# KiCad board RASBB.kicad_pcb (continued)
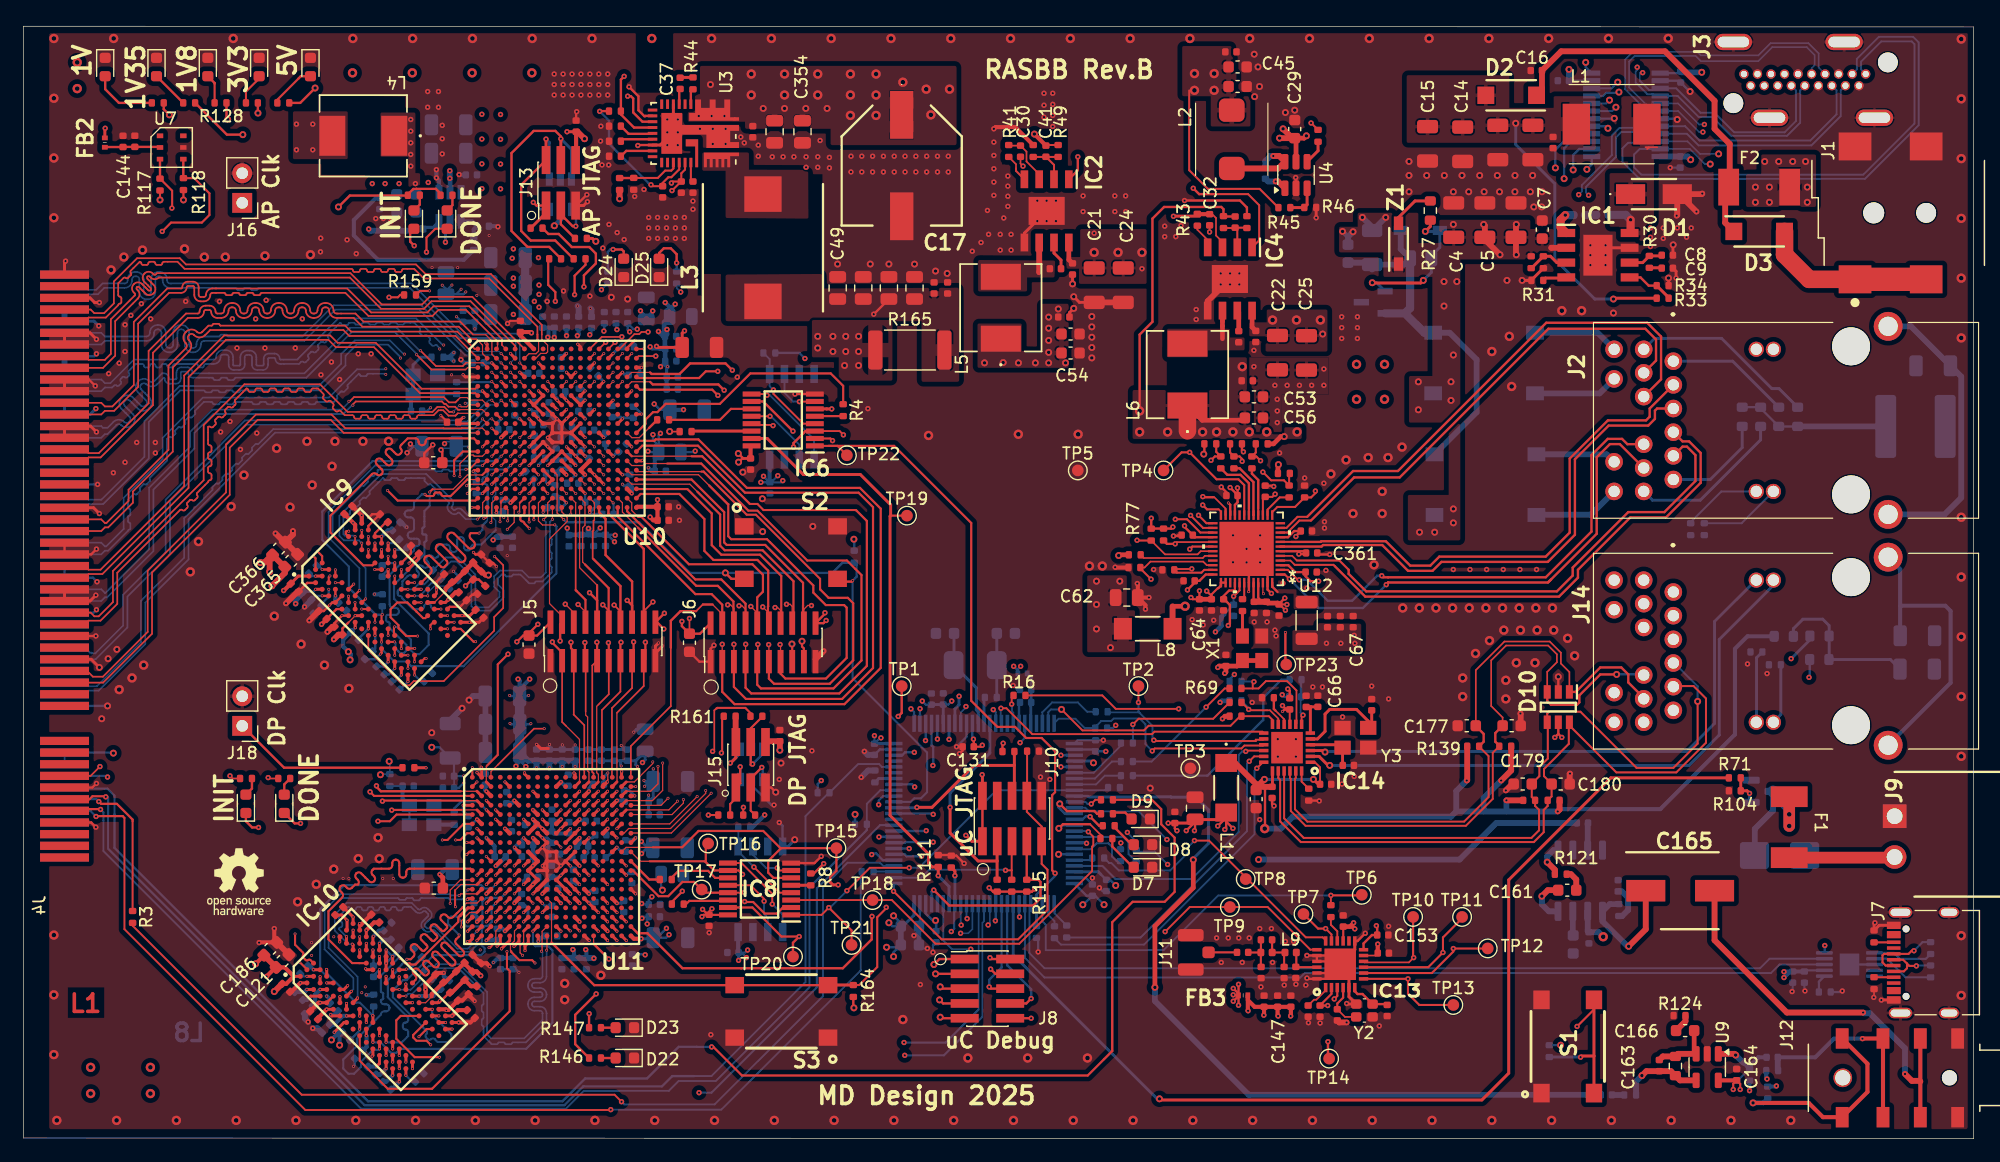
[diagram p0: board, top side]
## Routing (per net, layer and track width the routed paths; a pad name or vN(x,y) marks a point on that pad's centre or on a via; arc(x,y) is an arc through that point) (continued)
  Bottom w0.141: v4(134.22,80.92) 134,81.14 134,81.18
  Bottom w0.16: J3.4 155.84,89.92 155.84,87.72 153.32,85.2 143.64,85.2 142.65,86.19 IC11.21 139.25,86.19 139.11,86.34 137.02,86.34 136.57,85.89 136.57,84.22 134,81.65 134,81.18
/HDMI/HDMI_D2_N: length 163.3
  Top w0.141: v2(53.19,67.74) 53.19,67.74 U10.A18
  In3.Cu w0.141: v1(145.37,84.47) 145.37,78.47 141.67,74.77 140.92,74.77 139.69,73.55 131.55,73.55 130.55,74.55 126.93,74.55 126.46,75.02 100.51,75.02 95.22,69.72 95.22,66.2 92.32,63.3 67.79,63.3 64.39,66.7 53.89,66.7 53.4,67.19 53.4,67.54 v2(53.19,67.74)
  Bottom w0.141: IC11.22 142.69,85.54 143.77,84.47 v1(145.37,84.47)
  Bottom w0.16: IC11.22 139.25,85.54 139.11,85.4 138.4,85.4 138.38,85.42 137.61,85.42 137.12,84.93 137.12,83.8 138.59,82.33 157.92,82.33 162.52,86.93 162.52,94.03 162.04,94.51 159.11,94.51 157.22,92.62 157.22,91.72 J3.3
/HDMI/HDMI_D2_P: length 156.3
  Top w0.141: U10.B18 52.76,67.13 v4(54.23,67.13)
  In3.Cu w0.141: v1(144.65,83.59) 145.03,83.21 145.03,78.88 141.27,75.12 140.77,75.12 139.55,73.89 131.69,73.89 130.57,75.01 126.85,75.01 126.54,75.32 100.33,75.32 94.87,69.87 94.87,66.34 92.17,63.64 67.85,63.64 64.45,67.04 54.31,67.04 v4(54.23,67.13)
  Bottom w0.141: v1(144.65,83.59) 144.19,83.59 142.9,84.89 IC11.23
  Bottom w0.16: J3.1 157.58,91.72 157.58,92.38 159.32,94.12 161.93,94.12 162.16,93.89 162.16,87.07 157.78,82.69 138.73,82.69 138.12,83.3 138.12,84.42 138.59,84.89 IC11.23
/HDMI/HDMI_HPD_B: length 13.6
  In2.Cu w0.17: v1(136.72,90.62) 146.84,90.62 J3.19
  Bottom w0.17: v1(136.72,90.62) 136.19,90.09 IC11.10
/HDMI/HDMI_SCL_B: length 19.6
  In2.Cu w0.17: v1(136.01,89.08) 136.01,92.16 136.37,92.52 149.27,92.52 149.86,91.93 J3.15
  Bottom w0.17: v1(136.01,89.08) 135.72,88.79 IC11.8
/HDMI/HDMI_SDA_B: length 17.4
  In2.Cu w0.17: J3.16 149.28,89.43 147.53,87.69 145.52,87.69 145.27,87.93 138.66,87.93 v1(136.82,89.77)
  Bottom w0.17: IC11.9 135.46,89.44 135.72,89.71 136.76,89.71 v1(136.82,89.77)
/PCIE/PCIE_CS: length 145.6
  In4.Cu w0.16: 93.47,4.12 98.63,9.28 98.63,25.09 v4(98.06,25.66) ; v4(7.22,31.02) 7.57,31.02 10.82,27.77 10.82,13.02 21.47,2.37
  In4.Cu w0.2: 93.47,4.12 92.15,2.8 56.72,2.8 55.04,4.47 42.54,4.47 40.44,2.37 21.47,2.37
  Bottom w0.16: IC12.37 91.07,28.39 91.38,28.08 95.64,28.08 v4(98.06,25.66)
  Bottom w0.186: J4.A08 7.12,31.12 v4(7.22,31.02)
/PCIE/PCIE_MISO: length 136.8
  Top w0.186: R12.1 96.77,29.07 97.57,28.27 97.57,26.97 98.72,25.82 98.72,21.17 97.87,20.32 95.12,20.32 93.37,18.57 93.37,17.87 ; v4(59.02,7.87) 59.17,7.87 61.62,5.42 91.27,5.42 92.67,6.82
  Top w0.2: 93.37,17.87 93.37,7.52 92.67,6.82
  Bottom w0.186: v4(59.02,7.87) 57.76,7.87 57.75,7.88 56.2,7.88 ; 7.82,27.82 7.82,29.42 7.22,30.02 3.63,30.02
  Bottom w0.2: 7.82,27.82 7.82,24.94 29.56,3.2 46.22,3.2 48.18,5.17 53.49,5.17 56.2,7.88
/PCIE/PCIE_MOSI: length 14.4
  Top w0.16: R3.1 9.37,27.22
  Top w0.186: v4(6.47,28.92) 6.67,28.72 8.02,28.72 9.37,27.37 9.37,27.22
  Bottom w0.186: v4(6.47,28.92) 6.27,29.12 J4.A06
/PCIE/PCIE_SCK: length 98
  Top w0.16: 8.67,27.52 8.67,17.97 24.18,2.46 50.34,2.46 v4(50.37,2.49)
  Top w0.186: 8.67,27.52 8.52,27.67 6.27,27.67 v4(6.24,27.64)
  Bottom w0.16: 71.81,22.91 71.81,14.45 59.85,2.49 v4(50.37,2.49)
  Bottom w0.186: v4(6.24,27.64) 5.75,28.12 J4.A05
/PCIE/RX0_N: length 49.3
  Top w0.1: U10.J2 v2(39.37,61.74)
  Bottom w0.1: 39.28,61.55 39.28,61.65 v2(39.37,61.74)
  Bottom w0.142: 5.28,39.12 5.6,38.81 6.3,38.81 10.08,42.59 10.08,46.13 13.79,49.84 13.79,53.22 16.22,55.65 arc(16.24,55.71) 16.22,55.77 arc(16.2,55.82) 16.22,55.88 16.53,56.19 arc(16.59,56.21) 16.64,56.19 arc(16.7,56.17) 16.76,56.19 17.07,56.5 arc(17.09,56.56) 17.07,56.61 arc(17.05,56.67) 17.07,56.73 17.38,57.04 arc(17.44,57.06) 17.49,57.04 arc(17.55,57.02) 17.61,57.04 17.92,57.35 arc(17.94,57.41) 17.92,57.46 arc(17.89,57.52) 17.92,57.58 18.23,57.89 arc(18.28,57.91) 18.34,57.89 arc(18.4,57.86) 18.46,57.89 18.77,58.2 arc(18.79,58.25) 18.77,58.31 arc(18.74,58.37) 18.77,58.43 19.07,58.74 arc(19.13,58.76) 19.19,58.74 arc(19.25,58.71) 19.31,58.74 19.61,59.04 arc(19.64,59.1) 19.61,59.16 arc(19.59,59.22) 19.61,59.28 19.92,59.58 arc(19.98,59.61) 20.04,59.58 arc(20.1,59.56) 20.15,59.58 21.43,60.86 38.6,60.86 39.28,61.55
/PCIE/RX0_P: length 49.3
  Top w0.1: U10.J3 v2(40.17,61.74)
  Bottom w0.1: 39.5,61.24 40,61.74 v2(40.17,61.74)
  Bottom w0.142: 5.28,38.12 5.6,38.43 6.46,38.43 10.46,42.43 10.46,45.97 14.17,49.68 14.17,53.14 21.59,60.56 38.82,60.56 39.5,61.24
/PCIE/RX1_N: length 50.7
  Top w0.1: 37.94,60.54 U10.K1
  Top w0.142: J4.B14 6.84,39.12 11.04,43.31 11.04,48.56 17.7,55.23 17.7,59.27 20.09,61.66 26.36,61.66 27.48,60.54 37.94,60.54
/PCIE/RX1_P: length 50
  Top w0.1: 38.54,60.94 39.37,60.94 U10.K2
  Top w0.142: 5.47,40.12 5.96,39.63 6.82,39.63 10.66,43.47 10.66,48.72 17.38,55.43 17.38,59.55 19.94,62.11 26.43,62.11 27.6,60.94 36.02,60.94 36.04,60.93 37.58,60.93 37.6,60.94 38.54,60.94
/PCIE/RX2_N: length 49
  Top w0.1: U10.G3 v2(40.17,63.34)
  Bottom w0.1: 39.72,63.17 39.9,63.34 v2(40.17,63.34)
  Bottom w0.142: 5.28,42.12 5.71,41.69 5.85,41.69 5.85,41.63 6.17,41.63 8.55,44.01 8.55,46.66 12.2,50.31 12.2,54.81 19,61.61 37.17,61.61 37.28,61.5 38.06,61.5 39.72,63.17
/PCIE/RX2_P: length 51.4
  Top w0.1: U10.G4 v2(40.97,63.34)
  Bottom w0.1: 40.03,62.92 40.05,62.94 40.6,62.94 40.97,63.31 v2(40.97,63.34)
  Bottom w0.142: J4.A16 6.19,41.12 8.93,43.85 8.93,46.5 12.58,50.15 12.58,54.69 19.12,61.23 37.17,61.23 37.22,61.18 38.26,61.18 39.99,62.9
/PCIE/RX3_N: length 49.8
  Top w0.1: v2(37.43,62.88) 37.54,62.78 38.02,62.78 38.18,62.94 U10.G1
  Top w0.142: J4.B20 5.77,45.12 6.09,44.81 6.46,44.81 7.68,46.03 7.68,48.7 15.46,56.48 15.46,61.21 18.96,64.71 25.43,64.71 27.8,62.34 35.08,62.34 35.5,62.76 36.1,62.76 36.52,62.34 v2(36.88,62.34)
  Bottom w0.1: v2(37.43,62.88) 37.39,62.88 36.88,62.37 v2(36.88,62.34)
/PCIE/RX3_P: length 54.9
  Top w0.1: 37.03,61.99 37.26,62.22 38.89,62.22
  Top w0.142: 5.28,44.12 5.6,44.43 6.62,44.43 8.06,45.87 8.06,48.54 13.43,53.91 arc(13.53,53.96) 13.64,53.91 arc(13.75,53.87) 13.85,53.91 14.06,54.12 arc(14.11,54.23) 14.06,54.34 arc(14.02,54.44) 14.06,54.55 14.28,54.76 arc(14.38,54.81) 14.49,54.76 arc(14.59,54.72) 14.7,54.76 14.91,54.97 arc(14.96,55.08) 14.91,55.19 arc(14.87,55.29) 14.91,55.4 15.84,56.32 arc(15.88,56.43) 15.99,56.47 arc(16.09,56.52) 16.14,56.62 16.14,56.92 arc(16.09,57.03) 15.99,57.07 arc(15.88,57.12) 15.84,57.22 15.84,57.52 arc(15.88,57.63) 15.99,57.67 arc(16.09,57.72) 16.14,57.82 16.14,58.12 arc(16.09,58.23) 15.99,58.27 arc(15.88,58.32) 15.84,58.42 15.84,58.72 arc(15.88,58.83) 15.99,58.87 arc(16.09,58.92) 16.14,59.02 16.14,59.32 arc(16.09,59.43) 15.99,59.47 arc(15.88,59.52) 15.84,59.62 15.84,61.05 arc(15.94,61.09) 16.05,61.05 arc(16.16,61) 16.26,61.05 16.47,61.26 arc(16.52,61.37) 16.47,61.47 arc(16.43,61.58) 16.47,61.68 16.69,61.9 arc(16.79,61.94) 16.9,61.9 arc(17,61.85) 17.11,61.9 17.32,62.11 arc(17.37,62.21) 17.32,62.32 arc(17.28,62.43) 17.32,62.53 17.53,62.74 arc(17.64,62.79) 17.75,62.74 arc(17.85,62.7) 17.96,62.74 18.17,62.96 arc(18.21,63.06) 18.17,63.17 arc(18.13,63.27) 18.17,63.38 19.14,64.35 arc(19.25,64.31) 19.29,64.2 arc(19.33,64.09) 19.44,64.05 19.74,64.05 arc(19.85,64.09) 19.89,64.2 arc(19.93,64.31) 20.04,64.35 20.34,64.35 arc(20.45,64.31) 20.49,64.2 arc(20.53,64.09) 20.64,64.05 20.94,64.05 arc(21.05,64.09) 21.09,64.2 arc(21.13,64.31) 21.24,64.35 21.54,64.35 arc(21.65,64.31) 21.69,64.2 arc(21.73,64.09) 21.84,64.05 22.14,64.05 arc(22.25,64.09) 22.29,64.2 arc(22.33,64.31) 22.44,64.35 22.74,64.35 arc(22.85,64.31) 22.89,64.2 arc(22.93,64.09) 23.04,64.05 23.34,64.05 arc(23.45,64.09) 23.49,64.2 arc(23.53,64.31) 23.64,64.35 23.94,64.35 arc(24.05,64.31) 24.09,64.2 arc(24.13,64.09) 24.24,64.05 24.54,64.05 arc(24.65,64.09) 24.69,64.2 arc(24.73,64.31) 24.84,64.35 25.27,64.35 25.73,63.89 arc(25.77,63.78) 25.73,63.68 arc(25.68,63.57) 25.73,63.47 25.94,63.25 arc(26.04,63.21) 26.15,63.25 arc(26.26,63.3) 26.36,63.25 26.57,63.04 arc(26.62,62.94) 26.57,62.83 arc(26.53,62.72) 26.57,62.62 26.79,62.41 arc(26.89,62.36) 27,62.41 arc(27.1,62.45) 27.21,62.41 27.56,62.06 28.21,62.06 arc(28.31,62.01) 28.36,61.91 arc(28.4,61.8) 28.51,61.76 28.81,61.76 arc(28.91,61.8) 28.96,61.91 arc(29,62.01) 29.11,62.06 29.41,62.06 arc(29.51,62.01) 29.56,61.91 arc(29.6,61.8) 29.71,61.76 30.01,61.76 arc(30.11,61.8) 30.16,61.91 arc(30.2,62.01) 30.31,62.06 30.61,62.06 arc(30.71,62.01) 30.76,61.91 arc(30.8,61.8) 30.91,61.76 31.21,61.76 arc(31.31,61.8) 31.36,61.91 arc(31.4,62.01) 31.51,62.06 31.81,62.06 arc(31.91,62.01) 31.96,61.91 arc(32,61.8) 32.11,61.76 32.41,61.76 arc(32.51,61.8) 32.56,61.91 arc(32.6,62.01) 32.71,62.06 33.01,62.06 arc(33.11,62.01) 33.16,61.91 arc(33.2,61.8) 33.31,61.76 33.61,61.76 arc(33.71,61.8) 33.76,61.91 arc(33.8,62.01) 33.91,62.06 35.18,62.06 35.6,62.48 36,62.48 36.46,62.02 37.06,62.02 37.26,62.22
/PCIE/RX4_N: length 47.8
  Top w0.1: U10.G2 39.36,63.35 38.27,63.35 38.05,63.57 37.47,63.57 37.29,63.4
  Top w0.142: 37.29,63.4 37.06,63.16 36.5,63.16 36.05,63.61 28.35,63.61 28,63.25 v2(27.92,63.25)
  Bottom w0.142: v2(27.92,63.25) 27.92,63.17 27.28,62.54 16.22,62.54 14.29,60.61 14.29,59.35 10.78,55.84 10.78,50.56 7.03,46.81 7,46.81 6.68,47.12 J4.A22
/PCIE/RX4_P: length 47.8
  Top w0.1: U10.H2 39.37,62.54 37.43,62.54 37.42,62.53 37.36,62.53
  Top w0.142: v2(28.26,62.91) 28.26,62.99 28.51,63.23 35.89,63.23 36.1,63.03 36.21,63.03 36.46,62.78 37.02,62.78 37.27,62.53 37.42,62.53
  Bottom w0.142: v2(28.26,62.91) 28.18,62.91 27.44,62.16 16.29,62.16 14.67,60.54 14.67,59.19 11.16,55.68 11.16,50.4 7.19,46.43 7,46.43 6.68,46.12 J4.A21
/PCIE/RX5_N: length 49.7
  Top w0.142: 5.28,49.12 5.6,48.81 6.62,48.81 13.79,55.98 13.79,65.47 17.22,68.9 26.32,68.9 26.95,68.27 30.22,68.27 34.16,64.33 38.76,64.33 U10.E1
/PCIE/RX5_P: length 49.7
  Top w0.142: U10.F1 38.76,63.95 34,63.95 30.06,67.89 26.79,67.89 26.16,68.52 17.38,68.52 14.17,65.31 14.17,55.82 6.78,48.43 5.6,48.43 5.28,48.12
/PCIE/RX6_N: length 47.8
  Top w0.1: U10.F3 v2(40.17,64.14)
  In4.Cu w0.1: v2(40.17,64.14) 40.17,64.23 39.82,64.58 39.2,64.58 38.4,63.78 37.89,63.78
  In4.Cu w0.141: 37.89,63.78 36.98,63.78 34.79,65.97 31.15,65.97 v2(31.08,66.04)
  Bottom w0.142: J4.A26 6.68,51.12 7,50.81 7.11,50.81 8.6,52.3 8.6,54.97 11.94,58.31 11.94,60.11 15.4,63.57 26.19,63.57 28.61,65.99 31.03,65.99 v2(31.08,66.04)
/PCIE/RX6_P: length 52.8
  Top w0.1: U10.F4 v2(40.97,64.14)
  In4.Cu w0.1: v2(40.97,64.14) 40.47,63.64 39.67,63.64 39.48,63.45 37.32,63.45 37.31,63.44
  In4.Cu w0.141: 37.89,63.44 36.84,63.44 34.65,65.63 31.15,65.63 v2(31.08,65.56)
  Bottom w0.142: J4.A25 6.68,50.12 7,50.43 7.27,50.43 8.98,52.14 arc(9.01,52.21) 9.08,52.24 arc(9.15,52.27) 9.18,52.34 9.18,52.74 arc(9.15,52.81) 9.08,52.84 arc(9.01,52.87) 8.98,52.94 8.98,53.34 arc(9.01,53.41) 9.08,53.44 arc(9.15,53.47) 9.18,53.54 9.18,53.94 arc(9.15,54.01) 9.08,54.04 arc(9.01,54.07) 8.98,54.14 8.98,54.81 9.44,55.27 arc(9.51,55.3) 9.58,55.27 arc(9.65,55.24) 9.72,55.27 10,55.55 arc(10.03,55.63) 10,55.7 arc(9.97,55.77) 10,55.84 10.29,56.12 arc(10.36,56.15) 10.43,56.12 arc(10.5,56.09) 10.57,56.12 10.85,56.4 arc(10.88,56.47) 10.85,56.54 arc(10.82,56.62) 10.85,56.69 12.32,58.15 12.32,60.03 12.46,60.17 arc(12.53,60.2) 12.6,60.17 arc(12.67,60.14) 12.74,60.17 13.03,60.45 arc(13.06,60.52) 13.03,60.6 arc(13,60.67) 13.03,60.74 13.31,61.02 arc(13.38,61.05) 13.45,61.02 arc(13.52,60.99) 13.59,61.02 13.88,61.3 arc(13.9,61.37) 13.88,61.44 arc(13.85,61.51) 13.88,61.59 14.16,61.87 arc(14.23,61.9) 14.3,61.87 arc(14.37,61.84) 14.44,61.87 14.72,62.15 arc(14.75,62.22) 14.72,62.29 arc(14.69,62.36) 14.72,62.43 15.48,63.19 16.13,63.19 arc(16.2,63.16) 16.23,63.09 arc(16.26,63.02) 16.33,62.99 16.73,62.99 arc(16.8,63.02) 16.83,63.09 arc(16.86,63.16) 16.93,63.19 17.33,63.19 arc(17.4,63.16) 17.43,63.09 arc(17.46,63.02) 17.53,62.99 17.93,62.99 arc(18,63.02) 18.03,63.09 arc(18.06,63.16) 18.13,63.19 19.56,63.19 arc(19.63,63.16) 19.66,63.09 arc(19.69,63.02) 19.76,62.99 20.16,62.99 arc(20.23,63.02) 20.26,63.09 arc(20.29,63.16) 20.36,63.19 20.76,63.19 arc(20.83,63.16) 20.86,63.09 arc(20.89,63.02) 20.96,62.99 21.36,62.99 arc(21.43,63.02) 21.46,63.09 arc(21.49,63.16) 21.56,63.19 21.96,63.19 arc(22.03,63.16) 22.06,63.09 arc(22.09,63.02) 22.16,62.99 22.56,62.99 arc(22.63,63.02) 22.66,63.09 arc(22.69,63.16) 22.76,63.19 23.16,63.19 arc(23.23,63.16) 23.26,63.09 arc(23.29,63.02) 23.36,62.99 23.76,62.99 arc(23.83,63.02) 23.86,63.09 arc(23.89,63.16) 23.96,63.19 24.36,63.19 arc(24.43,63.16) 24.46,63.09 arc(24.49,63.02) 24.56,62.99 24.96,62.99 arc(25.03,63.02) 25.06,63.09 arc(25.09,63.16) 25.16,63.19 26.35,63.19 arc(26.42,63.22) 26.49,63.19 arc(26.56,63.16) 26.63,63.19 26.91,63.48 arc(26.94,63.55) 26.91,63.62 arc(26.88,63.69) 26.91,63.76 27.24,64.08 arc(27.31,64.11) 27.38,64.08 arc(27.45,64.05) 27.52,64.08 27.8,64.37 arc(27.83,64.44) 27.8,64.51 arc(27.77,64.58) 27.8,64.65 28.77,65.61 arc(28.84,65.58) 28.87,65.51 arc(28.9,65.44) 28.97,65.41 29.37,65.41 arc(29.44,65.44) 29.47,65.51 arc(29.5,65.58) 29.57,65.61 31.03,65.61 v2(31.08,65.56)
/PCIE/RX7_N: length 49.5
  Top w0.142: U10.A1 38.7,67.74 37.21,69.23 28.11,69.23 27.6,69.74 16.91,69.74 arc(16.85,69.76) 16.83,69.81 arc(16.81,69.87) 16.75,69.89 16.31,69.89 arc(16.25,69.87) 16.23,69.81 arc(16.21,69.76) 16.15,69.74 15.87,69.74 15.32,69.19 arc(15.12,69.1) 14.92,69.19 14.89,69.21 arc(14.42,69.41) 13.95,69.21 13.92,69.18 arc(13.72,68.71) 13.92,68.24 13.94,68.22 arc(14.03,68.01) 13.94,67.81 12.44,66.31 12.44,59.09 9.02,55.67 9.02,54.71 7.12,52.81 7,52.81 6.68,53.12 J4.B28
/PCIE/RX7_P: length 49.5
  Top w0.142: U10.B1 37.06,68.85 27.95,68.85 27.44,69.36 16.03,69.36 15.59,68.92 arc(15.12,68.73) 14.65,68.92 14.63,68.95 arc(14.42,69.03) 14.22,68.95 14.18,68.91 arc(14.1,68.71) 14.18,68.51 14.21,68.48 arc(14.4,68.01) 14.21,67.54 12.82,66.15 12.82,58.93 9.4,55.51 9.4,54.55 7.28,52.43 7,52.43 6.68,52.12 J4.B27
/PCIE/RX8_N: length 47.5
  Top w0.1: U10.E5 v2(41.77,64.94)
  In3.Cu w0.1: 37.92,64.87 38.42,64.87 38.8,64.49 41,64.49 41.45,64.94 v2(41.77,64.94)
  In3.Cu w0.141: 37.92,64.87 37.82,64.77 34.53,64.77 v2(32.34,66.95)
  Bottom w0.142: 5.28,54.12 5.6,54.43 6.85,54.43 10.76,58.34 10.76,61.48 13.46,64.18 15.49,64.18 arc(15.55,64.16) 15.57,64.1 arc(15.59,64.04) 15.65,64.02 16.09,64.02 arc(16.15,64.04) 16.17,64.1 arc(16.19,64.16) 16.25,64.18 16.69,64.18 arc(16.75,64.16) 16.77,64.1 arc(16.79,64.04) 16.85,64.02 17.29,64.02 arc(17.35,64.04) 17.37,64.1 arc(17.39,64.16) 17.45,64.18 17.89,64.18 arc(17.95,64.16) 17.97,64.1 arc(17.99,64.04) 18.05,64.02 18.49,64.02 arc(18.55,64.04) 18.57,64.1 arc(18.59,64.16) 18.65,64.18 25.49,64.18 27.63,66.32 27.63,67.15 28.58,68.1 31.27,68.1 32.34,67.03 v2(32.34,66.95)
/PCIE/RX8_P: length 47.5
  Top w0.1: U10.E6 v2(42.57,64.94)
  In3.Cu w0.1: 37.75,65.09 37.94,65.29 42.22,65.29 v2(42.57,64.94)
  In3.Cu w0.141: 37.75,65.09 34.89,65.09 v2(32.69,67.3)
  Bottom w0.142: v2(32.69,67.3) 32.61,67.3 31.43,68.48 28.42,68.48 27.25,67.31 27.25,66.48 25.33,64.56 13.41,64.56 10.38,61.53 10.38,58.5 6.69,54.81 5.6,54.81 5.28,55.12
/PCIE/RX9_N: length 50
  Top w0.1: U10.B2 39.38,67.33 39.38,67.34 39.38,67.34 39.38,68.06 38.86,68.58
  Top w0.142: 5.28,58.12 5.6,58.43 6.63,58.43 11.12,62.92 11.12,67.41 14.11,70.4 14.96,70.4 arc(15.33,70.56) 15.48,70.93 arc(15.53,71.03) 15.63,71.08 15.96,71.08 arc(16.06,71.03) 16.11,70.93 arc(16.26,70.56) 16.63,70.4 16.96,70.4 arc(17.41,70.59) 17.6,71.04 arc(17.67,71.23) 17.86,71.31 17.96,71.31 arc(18.15,71.23) 18.22,71.04 arc(18.41,70.59) 18.86,70.4 18.96,70.4 arc(19.41,70.59) 19.6,71.04 arc(19.67,71.23) 19.86,71.31 19.96,71.31 arc(20.15,71.23) 20.22,71.04 arc(20.41,70.59) 20.86,70.4 20.96,70.4 arc(21.41,70.59) 21.6,71.04 arc(21.67,71.23) 21.86,71.31 21.96,71.31 arc(22.15,71.23) 22.22,71.04 arc(22.41,70.59) 22.86,70.4 22.96,70.4 arc(23.41,70.59) 23.6,71.04 arc(23.67,71.23) 23.86,71.31 23.96,71.31 arc(24.15,71.23) 24.22,71.04 arc(24.41,70.59) 24.86,70.4 24.96,70.4 arc(25.41,70.59) 25.6,71.04 arc(25.67,71.23) 25.86,71.31 25.96,71.31 arc(26.15,71.23) 26.22,71.04 arc(26.41,70.59) 26.86,70.4 28.32,70.4 29.08,69.65 37.34,69.65 38.41,68.58 38.86,68.58
/PCIE/RX9_P: length 51.1
  Top w0.1: 38.54,68.96 39.65,68.96 40.18,68.43 40.18,67.27 40.51,66.94
  Top w0.142: 38.54,69 37.45,70.09 29.16,70.09 28.48,70.78 26.86,70.78 arc(26.67,70.85) 26.6,71.04 arc(26.41,71.49) 25.96,71.68 25.86,71.68 arc(25.41,71.49) 25.22,71.04 arc(25.15,70.85) 24.96,70.78 24.86,70.78 arc(24.67,70.85) 24.6,71.04 arc(24.41,71.49) 23.96,71.68 23.86,71.68 arc(23.41,71.49) 23.22,71.04 arc(23.15,70.85) 22.96,70.78 22.86,70.78 arc(22.67,70.85) 22.6,71.04 arc(22.41,71.49) 21.96,71.68 21.86,71.68 arc(21.41,71.49) 21.22,71.04 arc(21.15,70.85) 20.96,70.78 20.86,70.78 arc(20.67,70.85) 20.6,71.04 arc(20.41,71.49) 19.96,71.68 19.86,71.68 arc(19.41,71.49) 19.22,71.04 arc(19.15,70.85) 18.96,70.78 18.86,70.78 arc(18.67,70.85) 18.6,71.04 arc(18.41,71.49) 17.96,71.68 17.86,71.68 arc(17.41,71.49) 17.22,71.04 arc(17.15,70.85) 16.96,70.78 16.63,70.78 arc(16.53,70.82) 16.48,70.93 arc(16.33,71.3) 15.96,71.45 15.63,71.45 arc(15.26,71.3) 15.11,70.93 arc(15.06,70.82) 14.96,70.78 13.95,70.78 10.74,67.57 10.74,63.08 6.47,58.81 5.6,58.81 5.28,59.12
/PCIE/RX10_N: length 48.1
  Top w0.1: 37.92,65.97 38.09,66.14 U10.C1
  Top w0.142: v2(33.72,67.24) 35,65.97 37.92,65.97
  Bottom w0.142: v2(33.72,67.24) 33.72,67.32 31.86,69.18 28.17,69.18 24.26,65.27 18.2,65.27 arc(18.13,65.24) 18.1,65.17 arc(18.07,65.1) 18,65.07 17.6,65.07 arc(17.53,65.1) 17.5,65.17 arc(17.47,65.24) 17.4,65.27 17,65.27 arc(16.93,65.24) 16.9,65.17 arc(16.87,65.1) 16.8,65.07 16.4,65.07 arc(16.33,65.1) 16.3,65.17 arc(16.27,65.24) 16.2,65.27 14.57,65.27 arc(14.26,65.4) 14.13,65.72 arc(14.11,65.77) 14.06,65.79 13.57,65.79 arc(13.52,65.77) 13.5,65.72 13.5,65.2 arc(13.37,64.89) 13.06,64.76 12.56,64.76 arc(12.25,64.89) 12.12,65.2 arc(12.1,65.25) 12.05,65.27 11.49,64.71 arc(11.02,64.52) 10.55,64.71 10.55,64.72 arc(10.34,64.8) 10.14,64.72 10.1,64.68 arc(10.02,64.48) 10.1,64.28 10.79,63.59 arc(10.98,63.13) 10.79,62.66 10.75,62.62 arc(10.28,62.43) 9.81,62.62 9.13,63.3 arc(8.93,63.39) 8.72,63.3 8.69,63.27 arc(8.61,63.06) 8.69,62.86 9.37,62.18 arc(9.57,61.71) 9.37,61.24 9.34,61.21 arc(8.87,61.01) 8.4,61.21 8.39,61.21 arc(8.19,61.3) 7.99,61.21 7.21,60.43 7,60.43 6.68,60.12 J4.A35
/PCIE/RX10_P: length 48.5
  Top w0.1: 39.77,66.18 39.4,66.55 37.96,66.55
  Top w0.142: v2(34.07,67.59) 35.38,66.27 37.68,66.27 37.96,66.55
  Bottom w0.142: v2(34.07,67.59) 33.99,67.59 32.02,69.56 28.01,69.56 24.1,65.65 14.57,65.65 arc(14.52,65.67) 14.5,65.72 arc(14.37,66.03) 14.06,66.16 13.57,66.16 arc(13.26,66.03) 13.13,65.72 13.13,65.2 arc(13.11,65.15) 13.06,65.13 12.56,65.13 arc(12.51,65.15) 12.49,65.2 arc(12.36,65.52) 12.05,65.65 11.89,65.65 11.22,64.98 arc(11.02,64.89) 10.82,64.98 10.81,64.98 arc(10.34,65.18) 9.87,64.98 9.84,64.95 arc(9.65,64.48) 9.84,64.01 10.52,63.33 arc(10.61,63.13) 10.52,62.92 10.49,62.89 arc(10.28,62.8) 10.08,62.89 9.4,63.57 arc(8.93,63.76) 8.46,63.57 8.42,63.53 arc(8.23,63.06) 8.42,62.6 9.11,61.91 arc(9.19,61.71) 9.11,61.51 9.07,61.47 arc(8.87,61.39) 8.66,61.47 8.66,61.48 arc(8.19,61.67) 7.72,61.48 7.22,60.98 6.83,60.98 6.68,61.12 J4.A36
/PCIE/RX11_N: length 49.8
  Top w0.1: 40.66,68.11 40.66,67.83
  Top w0.142: J4.B37 6.68,62.12 7,62.43 7.79,62.43 9.85,64.49 9.85,69.9 12.5,72.55 13.53,72.55 arc(13.87,72.69) 14.01,73.03 arc(14.04,73.1) 14.11,73.13 14.56,73.13 arc(14.63,73.1) 14.66,73.03 14.66,72.37 arc(14.82,71.98) 15.21,71.82 15.48,71.82 arc(15.87,71.98) 16.03,72.37 arc(16.09,72.5) 16.21,72.55 17.23,72.55 arc(17.3,72.52) 17.33,72.45 arc(17.36,72.38) 17.43,72.35 17.83,72.35 arc(17.9,72.38) 17.93,72.45 arc(17.96,72.52) 18.03,72.55 18.43,72.55 arc(18.5,72.52) 18.53,72.45 arc(18.56,72.38) 18.63,72.35 19.03,72.35 arc(19.1,72.38) 19.13,72.45 arc(19.16,72.52) 19.23,72.55 19.63,72.55 arc(19.7,72.52) 19.73,72.45 arc(19.76,72.38) 19.83,72.35 20.23,72.35 arc(20.3,72.38) 20.33,72.45 arc(20.36,72.52) 20.43,72.55 27.61,72.55 29.6,70.57 35.08,70.57 35.6,71.09 37.96,71.09 40.66,68.38 40.66,68.11
/PCIE/RX11_P: length 50
  Top w0.1: 41.04,68.11 41.04,68.07 U10.A4
  Top w0.142: J4.B38 6.68,63.12 7,62.81 7.63,62.81 9.47,64.65 9.47,70.06 12.34,72.93 13.53,72.93 arc(13.6,72.96) 13.63,73.03 arc(13.77,73.37) 14.11,73.51 14.56,73.51 arc(14.89,73.37) 15.03,73.03 15.03,72.37 arc(15.09,72.25) 15.21,72.2 15.48,72.2 arc(15.61,72.25) 15.66,72.37 arc(15.82,72.77) 16.21,72.93 27.77,72.93 29.82,70.87 34.64,70.87 35.17,71.4 38.23,71.4 41.04,68.6 41.04,68.11
/PCIE/RX12_N: length 52.6
  Top w0.1: U10.D4 v2(40.97,65.74)
  In4.Cu w0.1: v2(40.97,65.74) 40.6,65.37 40.01,65.37 39.51,65.87 37.67,65.87
  In4.Cu w0.142: v2(35.7,67.73) 35.78,67.73 35.98,67.53 35.98,66.44 36.54,65.88 37.82,65.88
  Bottom w0.142: J4.A39 6.68,64.12 7,64.43 7.62,64.43 7.79,64.6 arc(7.89,64.64) 8,64.6 arc(8.1,64.56) 8.21,64.6 8.35,64.74 arc(8.39,64.85) 8.35,64.95 arc(8.31,65.06) 8.35,65.17 8.49,65.31 arc(8.6,65.35) 8.7,65.31 arc(8.81,65.26) 8.92,65.31 9.06,65.45 arc(9.1,65.56) 9.06,65.66 arc(9.01,65.77) 9.06,65.87 9.64,66.45 10.19,66.45 arc(10.29,66.41) 10.34,66.3 arc(10.38,66.2) 10.49,66.15 10.69,66.15 arc(10.79,66.2) 10.84,66.3 arc(10.88,66.41) 10.99,66.45 11.19,66.45 arc(11.29,66.41) 11.34,66.3 arc(11.38,66.2) 11.49,66.15 11.69,66.15 arc(11.79,66.2) 11.84,66.3 arc(11.88,66.41) 11.99,66.45 12.19,66.45 arc(12.29,66.41) 12.34,66.3 arc(12.38,66.2) 12.49,66.15 12.69,66.15 arc(12.79,66.2) 12.84,66.3 arc(12.88,66.41) 12.99,66.45 14.84,66.45 arc(14.94,66.41) 14.99,66.3 arc(15.03,66.2) 15.14,66.15 15.34,66.15 arc(15.44,66.2) 15.49,66.3 arc(15.53,66.41) 15.64,66.45 16.32,66.45 arc(16.74,66.63) 16.91,67.04 arc(16.97,67.19) 17.12,67.26 17.39,67.26 arc(17.55,67.19) 17.61,67.04 17.61,66.38 arc(17.74,66.07) 18.05,65.94 18.54,65.94 arc(18.85,66.07) 18.98,66.38 18.98,67.03 arc(19.04,67.17) 19.18,67.22 19.41,67.22 arc(19.55,67.17) 19.61,67.03 19.61,66.38 arc(19.74,66.07) 20.05,65.94 20.54,65.94 arc(20.85,66.07) 20.98,66.38 20.98,66.9 arc(21,66.95) 21.05,66.97 21.54,66.97 arc(21.59,66.95) 21.61,66.9 arc(21.74,66.58) 22.05,66.45 23.64,66.45 23.81,66.62 arc(23.91,66.67) 24.02,66.62 arc(24.12,66.58) 24.23,66.62 24.44,66.83 arc(24.49,66.94) 24.44,67.05 arc(24.4,67.15) 24.44,67.26 24.65,67.47 arc(24.76,67.51) 24.87,67.47 arc(24.97,67.43) 25.08,67.47 25.29,67.68 arc(25.33,67.79) 25.29,67.89 arc(25.25,68) 25.29,68.11 25.5,68.32 arc(25.61,68.36) 25.72,68.32 arc(25.82,68.27) 25.93,68.32 26.14,68.53 arc(26.18,68.64) 26.14,68.74 arc(26.1,68.85) 26.14,68.95 27.17,69.98 arc(27.24,69.95) 27.27,69.88 arc(27.3,69.81) 27.37,69.78 27.77,69.78 arc(27.84,69.81) 27.87,69.88 arc(27.9,69.95) 27.97,69.98 28.37,69.98 arc(28.42,69.96) 28.44,69.91 arc(28.46,69.85) 28.52,69.83 28.97,69.83 arc(29.02,69.85) 29.04,69.91 arc(29.06,69.96) 29.12,69.98 29.57,69.98 arc(29.62,69.96) 29.64,69.91 arc(29.66,69.85) 29.72,69.83 30.17,69.83 arc(30.22,69.85) 30.24,69.91 arc(30.26,69.96) 30.32,69.98 30.77,69.98 arc(30.82,69.96) 30.84,69.91 arc(30.86,69.85) 30.92,69.83 31.37,69.83 arc(31.42,69.85) 31.44,69.91 arc(31.46,69.96) 31.52,69.98 31.97,69.98 arc(32.02,69.96) 32.04,69.91 arc(32.06,69.85) 32.12,69.83 32.57,69.83 arc(32.62,69.85) 32.64,69.91 arc(32.66,69.96) 32.72,69.98 33.53,69.98 33.99,69.52 arc(34.04,69.42) 33.99,69.31 arc(33.95,69.21) 33.99,69.1 34.2,68.89 arc(34.31,68.84) 34.42,68.89 arc(34.52,68.93) 34.63,68.89 34.84,68.67 arc(34.88,68.57) 34.84,68.46 arc(34.8,68.36) 34.84,68.25 35.05,68.04 arc(35.16,67.99) 35.26,68.04 arc(35.37,68.08) 35.48,68.04 35.7,67.81 v2(35.7,67.73)
/PCIE/RX12_P: length 48.5
  Top w0.1: U10.D5 v2(41.77,65.74)
  In4.Cu w0.1: 37.82,66.26 37.84,66.24 41.27,66.24 v2(41.77,65.74)
  In4.Cu w0.142: v2(36.05,68.08) 36.05,68 36.36,67.69 36.36,66.6 36.7,66.26 37.82,66.26
  Bottom w0.142: v2(36.05,68.08) 35.97,68.08 33.69,70.36 27.01,70.36 23.48,66.83 22.05,66.83 arc(22,66.85) 21.98,66.9 arc(21.85,67.21) 21.54,67.34 21.05,67.34 arc(20.74,67.21) 20.61,66.9 20.61,66.38 arc(20.59,66.33) 20.54,66.31 20.05,66.31 arc(20,66.33) 19.98,66.38 19.98,67.03 arc(19.81,67.43) 19.41,67.6 19.18,67.6 arc(18.78,67.43) 18.61,67.03 18.61,66.38 arc(18.59,66.33) 18.54,66.31 18.05,66.31 arc(18,66.33) 17.98,66.38 17.98,67.04 arc(17.81,67.46) 17.39,67.63 17.12,67.63 arc(16.71,67.46) 16.53,67.04 arc(16.47,66.89) 16.32,66.83 9.48,66.83 7.46,64.81 7,64.81 6.68,65.12 J4.A40
/PCIE/RX13_N: length 50
  Top w0.142: U10.A5 42.17,68.01 38.35,71.83 35,71.83 34.35,71.18 30.68,71.18 30.24,71.62 30.24,71.63 28,73.86 11.62,73.86 arc(11.27,73.72) 10.92,73.86 10.83,73.95 arc(10.75,73.99) 10.66,73.95 10.64,73.93 arc(10.61,73.85) 10.64,73.76 11.18,73.22 arc(11.33,72.87) 11.18,72.52 11.16,72.5 arc(10.81,72.36) 10.46,72.5 9.92,73.04 arc(9.84,73.08) 9.75,73.04 9.73,73.02 arc(9.7,72.94) 9.73,72.85 9.82,72.76 arc(9.96,72.41) 9.82,72.07 7.88,70.12 7.88,67.16 6.83,66.12 J4.B41
/PCIE/RX13_P: length 49
  Top w0.142: 5.28,67.12 5.6,66.81 6.99,66.81 7.5,67.32 7.5,70.28 9.56,72.33 arc(9.59,72.41) 9.56,72.5 9.47,72.59 arc(9.32,72.94) 9.47,73.29 9.49,73.31 arc(9.84,73.45) 10.19,73.31 10.73,72.77 arc(10.81,72.73) 10.89,72.77 10.92,72.79 arc(10.95,72.87) 10.92,72.96 10.38,73.5 arc(10.23,73.85) 10.38,74.2 10.4,74.22 arc(10.75,74.36) 11.09,74.22 11.19,74.13 arc(11.27,74.09) 11.35,74.13 11.46,74.24 28.05,74.24 30.73,71.56 34.19,71.56 34.84,72.21 38.5,72.21 U10.A6
